# Altium PCB Mainboard_V1.0.PcbDoc (part 3 of 4) (continued)
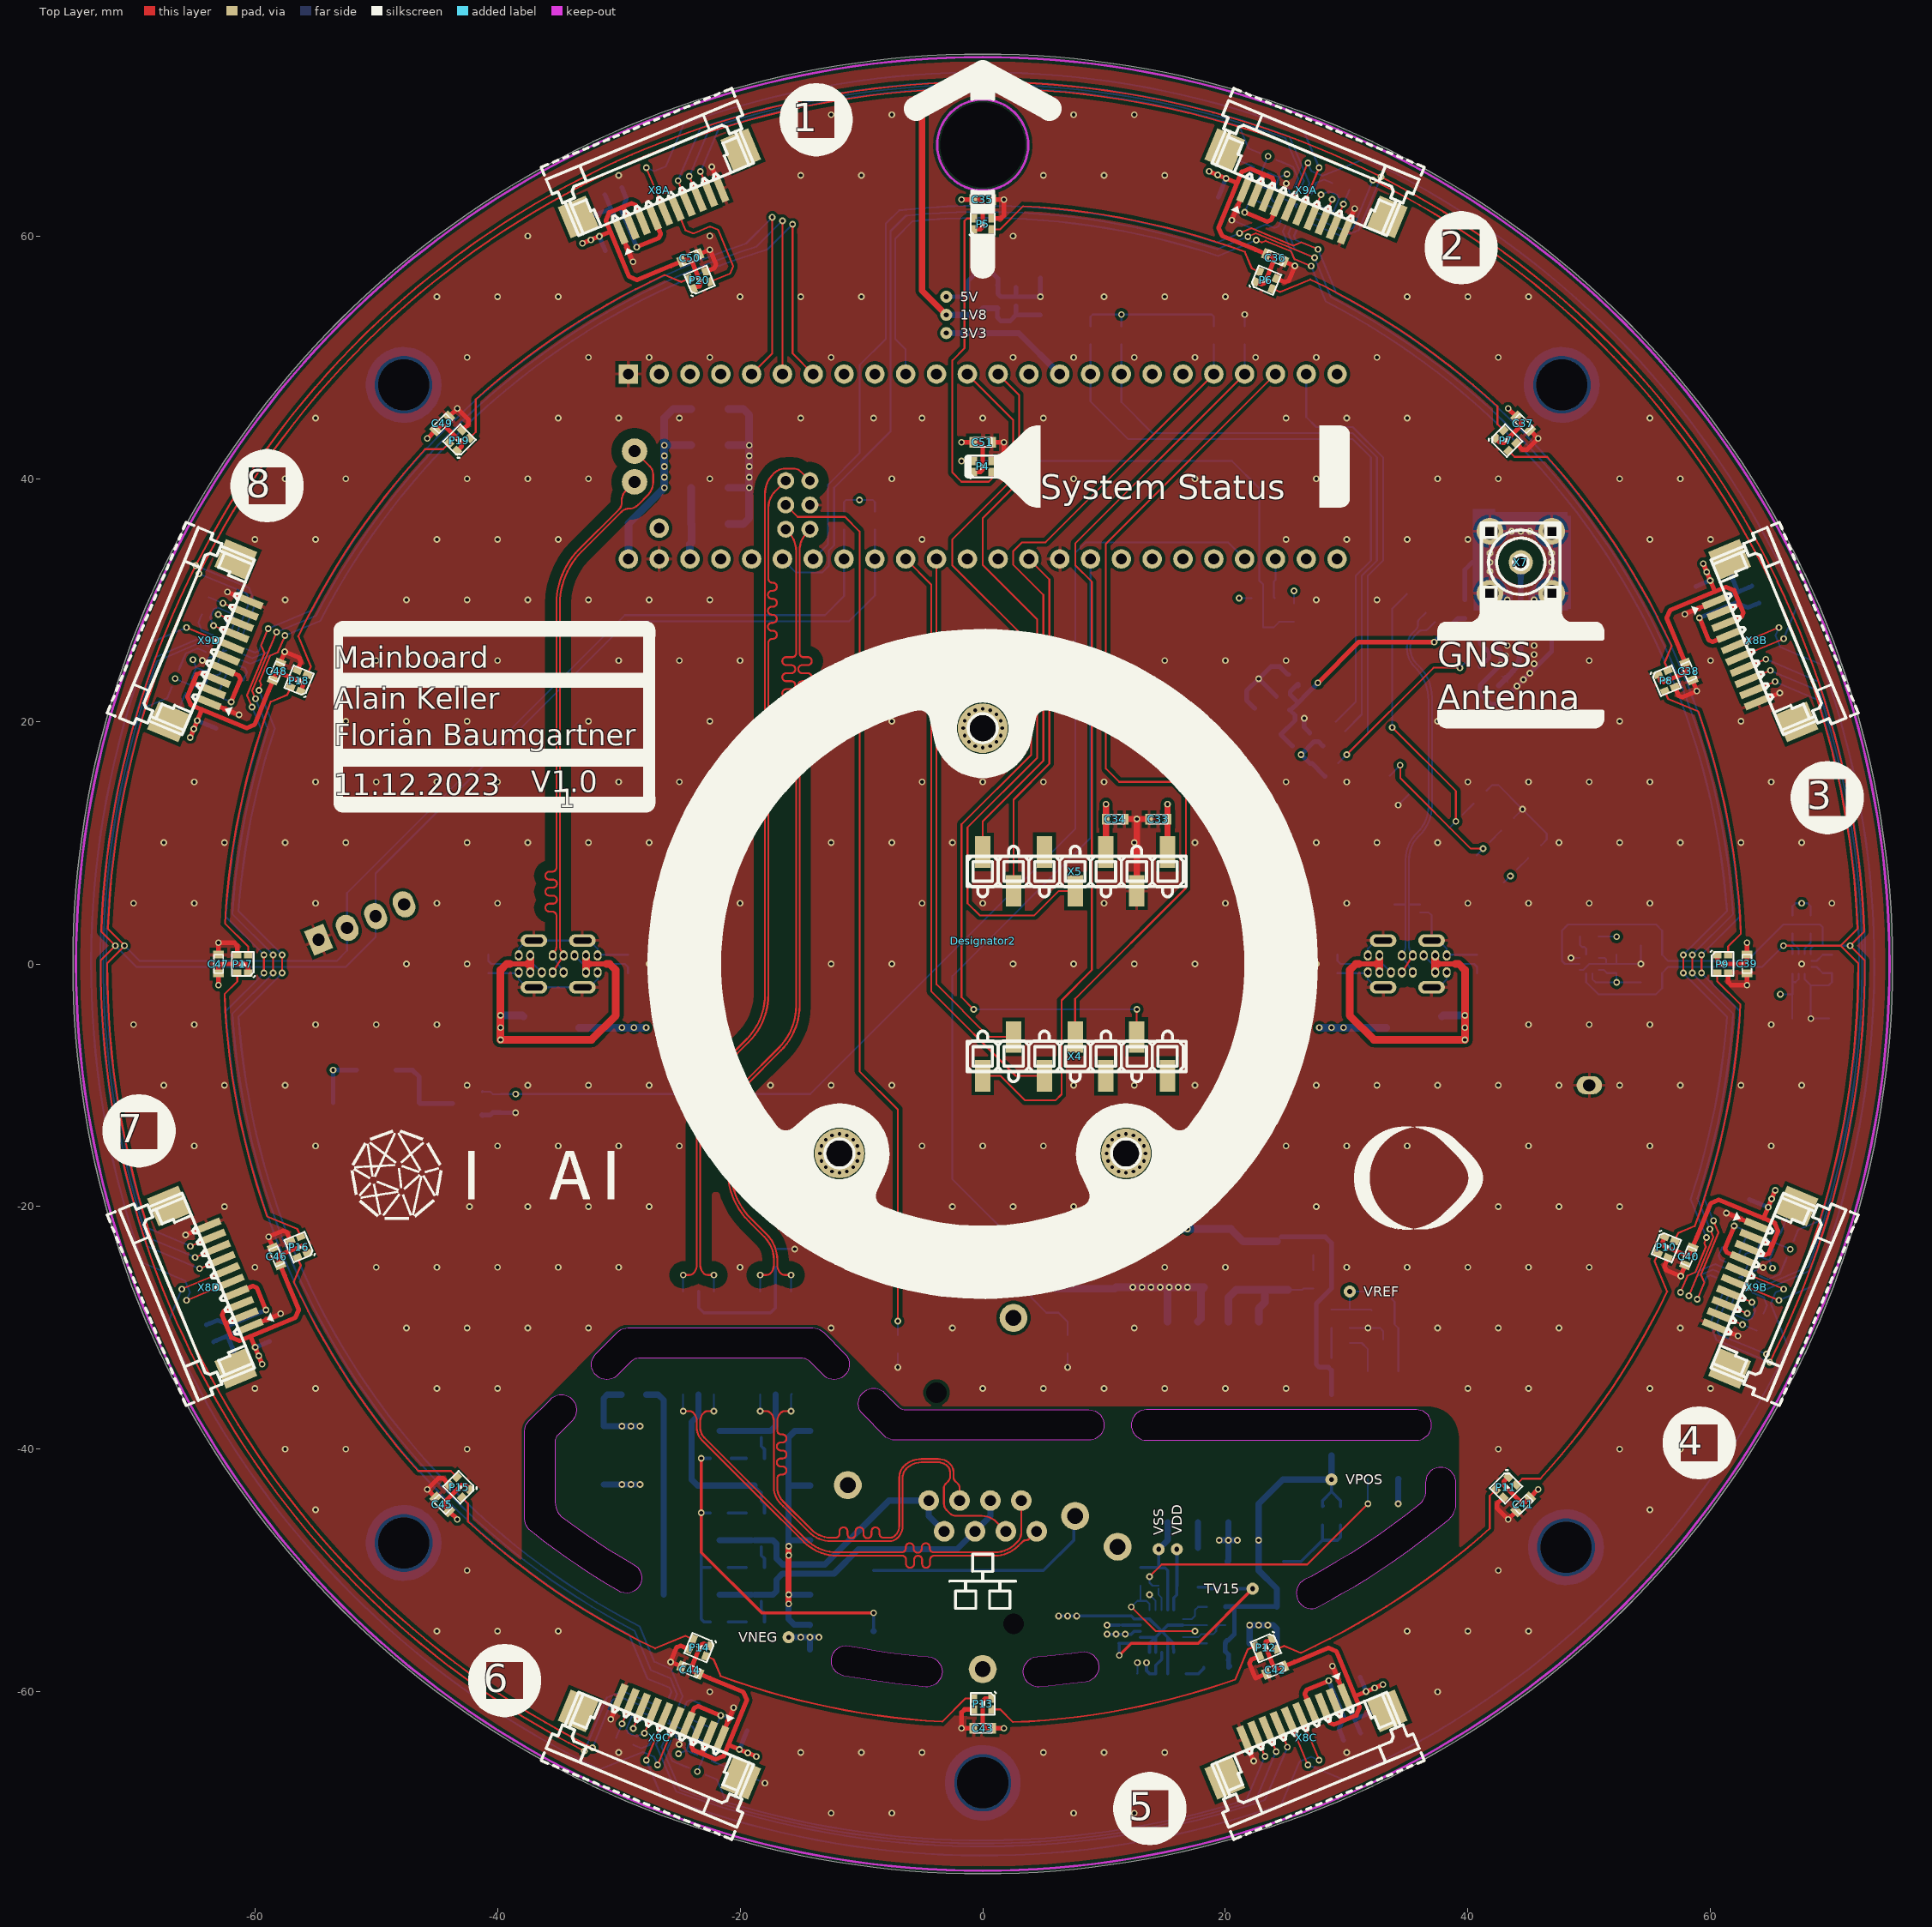
[diagram p0: Top Layer view]
## Nets (pads, with @x,y where several pads share a name; then routed paths per layer and width w, separated by ;. In a path a pad name is that pad's centre, name@x,y a point inside that pad or via, vN(x,y) a via of type N, cw(c..) or ccw(c..) an arc to the next point about the centre after c; other vN are vias at no path point) (continued)
  Bottom Layer w0.152: v1(-18.345,-36.86) T1.11@-18.345,-35.505
SCL_GPS: R39.2 U2.16 U6.19 | length 52.7
  Bottom Layer w0.152: R39.2@8.89,51.054 U2.16@8.89,48.62 8.89,46.36 12,43.25 30.5,43.25 32,41.75 32,33.25 30.75,32 30.75,21.621 U6.19@29.098,19.969
SCL_HMI: U2.38 X4.6 | length 43.2
  Top Layer w0.152: U2.38@-3.81,33.38 -3.81,-1.69 0.52,-6.02 X4.6@2.54,-6.02
SCL_SYS: R25.2 U2.41 U4.2 U5.1 U7A.7 U7B.7 U7C.7 U7D.7 X3.2 | length 488.7
  Top Layer w0.152: v1(-64.606,32.173) cw(c0,0) v1(32.173,64.606) ; v1(-64.606,32.173) ccw(c0,0) -72.115,2.896 -70.719,1.5 -72.173,0.045 ccw(c0,0) v1(-32.173,-64.606) ; v1(32.173,64.606) cw(c0,0) 72.115,2.896 70.719,1.5 ; v1(64.606,-32.173) ccw(c0,0) 72.173,0.045 70.719,1.5 ; v1@65.9,1.5 v1(66,1.5) 70.719,1.5
  Bottom Layer w0.152: v1(-70.75,1.5) -69.5,0.25 -53.25,0.25 -52.395,1.105 X3.2@-52.395,2.971 -52.395,5.855 -29.5,28.75 -13,28.75 -11.43,30.32 U2.41@-11.43,33.38 R25.2@-11.43,35.814 ; v1(-64.606,32.173) -60.737,30.57 cw(c-60.796,30.43) -60.655,30.488 -60.409,29.893 -60.6,29.431 -61.471,27.325 U7D.7@-61.557,27.121 ; v1(-32.173,-64.606) -30.57,-60.737 cw(c-30.43,-60.796) -30.488,-60.655 -29.893,-60.409 -29.431,-60.6 -27.325,-61.471 U7C.7@-27.121,-61.555 ; U7A.7@27.121,61.557 27.324,61.471 29.431,60.6 29.893,60.409 30.488,60.655 ccw(c30.43,60.796) 30.57,60.737 v1(32.173,64.606) ; U4.2@49.75,-0.8 49.75,-1.5 50.75,-2.5 55.5,-2.5 56,-2 56,-0.75 56.5,-0.25 64.25,-0.25 v1(66,1.5) 66.5,1.5 66.75,1.25 U5.1@66.75,0.81 ; U7B.7@61.555,-27.121 61.471,-27.324 60.6,-29.431 60.409,-29.893 60.655,-30.488 ccw(c60.796,-30.43) 60.737,-30.57 v1(64.606,-32.173) ; U7B.7@61.557,-27.121 61.473,-27.324 60.602,-29.431 60.411,-29.893 60.657,-30.488 ccw(c60.798,-30.429) 60.739,-30.57 v1(64.606,-32.173) v1(64.608,-32.172)
SDA_GPS: R40.2 U2.17 U6.18 | length 51.3
  Bottom Layer w0.152: R40.2@11.43,51.054 U2.17@11.43,48.62 11.43,46.32 14,43.75 30.5,43.75 32.5,41.75 32.5,33.25 31.25,32 31.25,20.566 U6.18@29.876,19.191
SDA_HMI: U2.39 X4.5 | length 48.7
  Top Layer w0.152: U2.39@-6.35,33.38 -4.25,31.28 -4.25,-2.25 2.72,-9.22 X4.5@5.08,-9.22
SDA_SYS: R24.2 U2.40 U4.4 U5.4 U7A.8 U7B.8 U7C.8 U7D.8 X3.3 | length 509.8
  Top Layer w0.152: v1(-32.826,-64.876) cw(c0,0) -72.708,0.292 v1(-71.5,1.5) -72.65,2.65 -72.65,2.918 cw(c0,0) v1(-64.876,32.826) cw(c0,0) v1(32.826,64.876) cw(c0,0) 72.65,2.918 72.65,2.65 v1(71.5,1.5) 72.708,0.292 cw(c0,0) v1(64.878,-32.826)
  Bottom Layer w0.152: v1(-71.5,1.5) -69.75,-0.25 -52.5,-0.25 -50.048,2.202 X3.3@-50.048,3.943 -50.048,7.452 -29.25,28.25 -11,28.25 -8.89,30.36 U2.40@-8.89,33.38 R24.2@-8.89,35.814 ; v1(-64.876,32.826) -60.488,31.008 -60.353,30.681 -59.947,29.702 -61.009,27.133 U7D.8@-61.095,26.93 ; v1(-32.826,-64.876) -31.008,-60.488 -30.681,-60.353 -29.702,-59.947 -27.133,-61.009 U7C.8@-26.93,-61.093 ; U7A.8@26.93,61.093 27.133,61.009 29.702,59.947 30.681,60.353 31.008,60.488 v1(32.826,64.876) ; U4.4@49.2,0 48,0 47.75,0.25 47.75,2.75 48.25,3.25 55.5,3.25 56,2.75 56,0.75 56.5,0.25 63,0.25 66,3.25 69,3.25 69.25,3 69.25,1.5 ; U7B.8@61.011,-27.133 59.949,-29.701 60.355,-30.681 60.49,-31.008 v1(64.878,-32.826) ; U7B.8@61.011,-27.133 U7B.8@61.095,-26.93 ; U7B.8@61.093,-26.93 61.009,-27.133 59.947,-29.702 60.353,-30.681 60.488,-31.008 v1(64.878,-32.826) ; v1(64.878,-32.826) v1(64.878,-32.826) ; U5.4@68.25,0.81 68.25,1.25 68.5,1.5 69.25,1.5 ; v1(71.5,1.5) 69.25,1.5
  other v1: 64.876,-32.826
TDM1_BCLK: U2.43 U7A.10 U7B.10 | length 180.2
  Top Layer w0.152: v1(21.855,59.95) 22.509,60.22 v1(27.359,58.211) ; v1(58.213,-27.359) 60.222,-22.508 v1(59.951,-21.855) ; v1(58.5,-0.75) v1(58.5,0.75)
  Bottom Layer w0.152: U2.43@-16.51,33.38 -15.39,32.26 -13.24,32.26 -12.7,32.8 -12.7,34.05 -12.25,34.5 -12.25,39.25 -7.6,43.9 -7.6,60.4 -6.323,61.677 cw(c0,0) -6.243,61.685 cw(c0,0) 19.338,58.907 v1(21.855,59.95) ; U7A.10@25.392,60.649 25.201,60.187 25.472,59.534 25.742,58.881 v1(27.359,58.211) 28.709,54.953 cw(c0,0) 61.863,4.113 v1(58.5,0.75) ; v1(58.213,-27.359) 58.883,-25.742 59.536,-25.471 60.189,-25.201 U7B.10@60.651,-25.392 ; v1(58.5,-0.75) 61.863,-4.113 cw(c0,0) 58.907,-19.338 v1@59.95,-21.855
TDM1_FSYNC: U2.42 U7A.9 U7B.9 | length 175.9
  Top Layer w0.152: v1(21.162,60.237) 22.142,60.643 25.607,59.208 26.26,59.478 v1(27.646,58.904) ; v1(58.906,-27.646) 59.48,-26.26 59.209,-25.607 60.644,-22.142 v1(60.238,-21.162) ; v1(59.25,-0.75) v1(59.25,0.75)
  Bottom Layer w0.152: U2.42@-13.97,33.38 -12.75,34.6 -12.75,39.5 -10.15,42.1 -10.15,49.35 -8,51.5 -8,61 -6.88,62.12 cw(c0,0) 19.273,59.454 v1(21.162,60.237) ; U7A.9@25.854,60.458 25.663,59.996 25.798,59.669 v1(27.646,58.904) 29.143,55.289 cw(c0,0) 62.379,3.88 v1(59.25,0.75) ; v1(58.906,-27.646) 59.671,-25.798 59.998,-25.663 U7B.9@60.46,-25.854 ; v1(59.25,-0.75) 62.379,-3.879 cw(c0,0) 59.454,-19.273 v1@60.237,-21.163
TDM1_RX: U2.10 U7A.11 U7B.11 | length 158.8
  Top Layer w0.152: v1(22.548,59.663) 23.011,59.471 23.336,59.607 25.415,58.747 25.687,58.092 v1(27.071,57.52) ; v1(57.521,-27.07) 58.094,-25.687 58.749,-25.415 59.608,-23.336 59.473,-23.01 v1(59.664,-22.548) ; v1(57.75,-0.75) v1(57.75,0.75)
  Bottom Layer w0.152: U2.10@-6.35,48.62 -6.35,50.65 -7.2,51.5 -7.2,59.8 -5.771,61.229 cw(c0,0) 19.402,58.359 v1(22.548,59.663) ; U7A.11@24.942,60.867 24.74,60.38 25.685,58.093 v1(27.071,57.52) 28.275,54.615 cw(c0,0) 61.346,4.346 v1(57.75,0.75) ; v1(57.521,-27.07) 58.095,-25.685 60.382,-24.74 U7B.11@60.869,-24.942 ; v1(57.75,-0.75) 61.346,-4.346 cw(c0,0) 58.359,-19.402 v1@59.663,-22.548 ; U7B.11@60.867,-24.942 U7B.11@61.07,-25.026
TDM2_BCLK: U2.6 U7C.10 U7D.10 | length 177.6
  Top Layer w0.152: v1(-59.95,21.855) -60.22,22.509 v1(-58.211,27.359) ; v1(-58.5,-0.75) v1(-58.5,0.75) ; U2.6@-16.51,48.62 v1@-16.51,61.261
  Bottom Layer w0.152: U7D.10@-60.88,25.488 -60.649,25.392 -60.187,25.201 -59.534,25.472 -58.881,25.742 v1(-58.211,27.359) -54.953,28.709 cw(c0,0) -18.643,59.131 v1(-16.513,61.261) ; v1(-59.95,21.855) -58.907,19.338 ccw(c0,0) -61.863,4.113 v1(-58.5,0.75) ; v1(-58.5,-0.75) -61.863,-4.113 ccw(c0,0) -28.709,-54.953 -27.359,-58.211 -25.742,-58.881 -25.472,-59.534 -25.201,-60.187 U7C.10@-25.392,-60.649
TDM2_FSYNC: U2.5 U7C.9 U7D.9 | length 177.6
  Top Layer w0.152: v1(-60.237,21.162) -60.643,22.142 -59.208,25.607 -59.478,26.26 v1(-58.904,27.646) ; v1(-59.25,-0.75) v1(-59.25,0.75) ; U2.5@-19.05,48.62 -17.345,50.325 v1@-17.345,61.545
  Bottom Layer w0.152: U7D.9@-60.689,25.95 -60.458,25.854 -59.996,25.663 -59.669,25.798 v1(-58.904,27.646) -55.289,29.143 cw(c0,0) -19.516,59.375 v1(-17.346,61.545) ; v1(-60.237,21.162) -59.454,19.273 ccw(c0,0) -62.379,3.879 v1(-59.25,0.75) ; v1(-59.25,-0.75) -62.379,-3.879 ccw(c0,0) -29.143,-55.289 -27.646,-58.904 -25.798,-59.669 -25.663,-59.996 U7C.9@-25.854,-60.458
TDM2_RX: U2.7 U7C.11 U7D.11 | length 179.6
  Top Layer w0.152: v1(-59.663,22.548) -59.471,23.011 -59.607,23.336 -58.747,25.415 -58.092,25.687 v1(-57.52,27.071) ; v1(-57.75,-0.75) v1(-57.75,0.75) ; v1(-15.675,60.969) -15.675,50.325 U2.7@-13.97,48.62
  Bottom Layer w0.152: U7D.11@-61.072,25.026 U7D.11@-60.867,24.942 ; U7D.11@-60.867,24.942 -60.38,24.74 -58.093,25.685 v1(-57.52,27.071) -54.615,28.275 cw(c0,0) -17.766,58.878 v1(-15.675,60.969) ; v1(-59.663,22.548) -58.359,19.402 ccw(c0,0) -61.346,4.346 v1(-57.75,0.75) ; v1(-57.75,-0.75) -61.346,-4.346 ccw(c0,0) -28.275,-54.615 -27.071,-57.52 -25.685,-58.093 -24.74,-60.38 -24.942,-60.867 U7C.11@-25.026,-61.07
TX_N: T1.14 X2.2 | length 39.7
  Top Layer w0.152: v1(-22.155,-36.86) -22.662,-36.86 ccw(c-22.662,-37.338) -23,-37 ccw(c-22.311,-37.689) -23.285,-37.689 -23.285,-38.25 ccw(c-22.163,-38.25) -22.957,-39.043 -18.125,-43.875 -14.561,-47.439 ccw(c-12,-44.879) -12,-48.5 -7.7,-48.5 -6.678,-48.5 ccw(c-6.678,-48.17) -6.348,-48.17 -6.348,-48.082 cw(c-6.018,-48.082) -5.688,-48.082 -5.688,-48.208 ccw(c-5.357,-48.208) -5.027,-48.208 -5.027,-48.082 cw(c-4.697,-48.082) -4.367,-48.082 -4.367,-48.17 ccw(c-4.037,-48.17) -4.037,-48.5 -3.3,-48.5 1,-48.5 ccw(c1,-46.08) 2.711,-47.791 2.797,-47.706 2.797,-47.703 2.862,-47.638 ccw(c2.106,-46.882) 3.175,-46.882 X2.2@3.175,-44.23
  Bottom Layer w0.152: v1(-22.155,-36.86) T1.14@-22.155,-35.505
TX_P: T1.16 X2.1 | length 40.5
  Top Layer w0.152: v1(-24.695,-36.86) -24.188,-36.86 cw(c-24.188,-37.338) -23.85,-37 cw(c-24.539,-37.689) -23.565,-37.689 -23.565,-38.25 ccw(c-22.163,-38.25) -23.154,-39.241 -22.948,-39.448 -18.323,-44.073 -14.758,-47.637 ccw(c-12,-44.879) -12,-48.779 -7.388,-48.779 -6.651,-48.779 cw(c-6.651,-49.11) -6.321,-49.11 -6.321,-49.442 ccw(c-5.991,-49.442) -5.66,-49.442 -5.66,-49.11 cw(c-5.33,-49.11) -5,-49.11 -5,-49.442 ccw(c-4.67,-49.442) -4.34,-49.442 -4.34,-49.11 cw(c-4.009,-49.11) -4.009,-48.779 -3.067,-48.779 1,-48.779 ccw(c1,-46.08) 2.909,-47.989 2.994,-47.903 2.997,-47.903 ; 2.9,-48 2.997,-47.903 ; X2.1@4.81,-47.135 cw(c4.546,-47.4) X2.1@4.92,-47.4 ; X2.1@4.81,-47.135 X2.1@4.445,-46.77 3.796,-47.419 cw(c3.6,-47.222) 3.6,-47.5 ccw(c3.6,-47.983) 3.259,-47.641 2.997,-47.903
  Bottom Layer w0.152: v1(-24.695,-36.86) T1.16@-24.695,-35.505
USB_D_N: U2.57 X1.A7 X1.B7 | length 46.9
  Top Layer w0.152: X1.A7@-35.45,0.7 cw(c-35.142,0.7) -35.36,0.918 ccw(c-35.891,1.449) -35.14,1.449 -35.14,3.9 -35.14,3.976 ccw(c-35.47,3.976) -35.47,4.306 -35.72,4.306 cw(c-35.72,4.637) -35.72,4.967 -35.432,4.967 ccw(c-35.432,5.297) -35.432,5.627 -35.72,5.627 cw(c-35.72,5.957) -35.72,6.288 -35.432,6.288 ccw(c-35.432,6.618) -35.432,6.948 -35.72,6.948 cw(c-35.72,7.278) -35.72,7.608 -35.47,7.608 ccw(c-35.47,7.939) -35.14,7.939 -35.14,8.6 -35.14,29.663 cw(c-28.754,29.663) -33.269,34.178 -30,37.448 ccw(c-30.604,38.051) -29.75,38.051 -29.75,38.25 cw(c-28.712,38.25) -29.446,38.984 U2.57@-28.7,39.73
  Bottom Layer w0.152: X1.A7@-35.412,0.64 X1.B7@-34.589,-0.64
USB_D_P: U2.56 X1.A6 X1.B6 | length 47.2
  Top Layer w0.152: X1.B6@-35.45,-0.7 -35.45,-0.64 -35.412,-0.64 -34.589,0.64 -34.55,0.64 X1.A6@-34.55,0.7 ccw(c-34.858,0.7) -34.64,0.918 cw(c-34.109,1.449) -34.86,1.449 -34.86,29.663 cw(c-28.754,29.663) -33.072,33.981 -29.776,37.276 ; -29.776,37.276 cw(c-29.173,36.673) -29.173,37.526 ccw(c-29.173,38.61) -28.406,37.844 -27.587,38.663 ccw(c-28.7,39.73) -27.158,39.73 -27.158,40.32 ccw(c-28.144,40.32) -27.447,41.017 U2.56@-28.7,42.27
pads on no net: D16.3 D16.4 D16.5 Designator2.NC M1.1 M2.1 M3.1 M4.1 M5.1 Q1.NC T1.4 T1.5 T1.12 T1.13 T2.5 T2.6 U2.2 U2.3 U2.4 U2.8 U2.9 U2.11 U2.14 U2.18 U2.19 U2.24 U2.25 U2.26 U2.29 U2.30 U2.31 U2.32 U2.36 U2.37 U2.44 U2.45 U2.49 U4.7 U5.7 U5.11 U5.12 U6.1 U6.2 U6.4 U6.14 U6.16 U6.17 U6.20 U6.21 X2.NC X4.1 X4.3 X5.3 X8A.NC X8B.NC X8C.NC X8D.NC X9A.NC X9B.NC X9C.NC X9D.NC
copper on no net:
  other v2: -11.811,-17.221 11.811,-17.221 -12.423,-17.099 -11.199,-17.099 11.199,-17.099 12.423,-17.099 -12.942,-16.752 -10.68,-16.752 10.68,-16.752 12.942,-16.752 -13.289,-16.233 -10.333,-16.233 10.333,-16.233 13.289,-16.233 -13.411,-15.621 -10.211,-15.621 10.211,-15.621 13.411,-15.621 -13.289,-15.009 -10.333,-15.009 10.333,-15.009 13.289,-15.009 -12.942,-14.49 -10.68,-14.49 10.68,-14.49 12.942,-14.49 -12.423,-14.143 -11.199,-14.143 11.199,-14.143 12.423,-14.143 -11.811,-14.021 11.811,-14.021 0,17.831 -0.612,17.953 0.612,17.953 -1.131,18.3 1.131,18.3 -1.478,18.819 1.478,18.819 -1.6,19.431 1.6,19.431 -1.478,20.043 1.478,20.043 -1.131,20.562 1.131,20.562 -0.612,20.909 0.612,20.909 0,21.031

## Polygon pours and split planes (outlines as drawn)
3V3 on Mid-Layer 1 "NONET_L-01_P-001" (solid, remove dead copper, pour order 29): -38,-47.25 -38,-38.473 cw(c-36.577,-38.473) -37.583,-37.467 -30.471,-30.26 cw(c-29.219,-31.512) -29.219,-29.741 -13.881,-29.741 cw(c-13.881,-31.053) -12.953,-30.125 -6.684,-36.394 ccw(c-6.491,-36.202) -6.491,-36.474 36.754,-36.474 cw(c36.754,-38.989) 39.268,-38.989 39.268,-47.232 cw(c39.25,-47.232) 39.25,-47.25 46.75,-40.5 52.817,-31.89 59.266,-16.972 61.5,-5 61.5,0 ccw(c0,0) 0,61.5 ccw(c0,0) -61.5,0 -60,-13.25 -56.5,-24.5 -48,-38.75 -38.5,-48.25
3V3 on Mid-Layer 1 "NONET_L-01_P-001" (solid, remove dead copper, pour order 30): 0,-62.5 cw(c0,0) -62.5,0 cw(c0,0) 0,62.5 cw(c0,0) 62.5,0 cw(c0,0) 0,-62.5 0,-60.5 ccw(c0,0) 60.5,0 ccw(c0,0) 0,60.5 ccw(c0,0) -60.5,0 ccw(c0,0) 0,-60.5
5V on Mid-Layer 1 "NONET_L-01_P-001" (solid, remove dead copper, pour order 28): -2,50.75 -2,50.5 -2.75,49.75 -24.25,49.75 -45,29 -45,13 -13,13 -25,25 -25,34 -19,40 3.75,40 5.5,41.75 5.5,50.75
5V on Mid-Layer 1 "NONET_L-01_P-001" (solid, remove dead copper, pour order 27): 26,-24 45,-5 45,14 27,32 24,32 23,31 23,28 29,22 29,16 28,15 15,15 11,11 -11,11 -15,15 -44,15 -45,14 -45,-5 -26,-24
5V on Mid-Layer 1 "NONET_L-01_P-001" (solid, remove dead copper, pour order 26): -8.25,62.041 -7.041,62.041 -5.5,60.5 -5.5,54 -4.25,52.75 -2.5,52.75 -2,52.25 -2,50.5 5.5,50.5 5.5,61.75 6.25,62.5 6.25,62.75 -8.25,62.75
5V on Mid-Layer 1 "NONET_L-01_P-001" (solid, remove dead copper, pour order 25): 0,72.75 cw(c0,0) 72.75,0 cw(c0,0) 0,-72.75 cw(c0,0) -72.75,0 cw(c0,0) 0,72.75 0,62.5 ccw(c0,0) -62.5,0 ccw(c0,0) 0,-62.5 ccw(c0,0) 62.5,0 ccw(c0,0) 0,62.5
NetC9_2 on Mid-Layer 1 "NONET_L-01_P-001" (solid, remove dead copper, pour order 6): -30.75,-36 -31.25,-36.5 -31.25,-38 -17,-52.25 -16.25,-52.25 8,-52.25 8.5,-52.75 8.5,-56.25 10.163,-57.913 13.532,-57.913 16.325,-57.175 23.5,-50 23.5,-46.5 22,-45 14.165,-45 10.915,-48.25 -11.75,-48.25 -24,-36
NetD3_A on Mid-Layer 1 "NONET_L-01_P-001" (solid, remove dead copper, pour order 5): 9.5,-53 9.975,-52.525 13.875,-52.525 19.4,-47 21.1,-47 21.5,-47.4 21.5,-49.5 15.3,-55.7 10.2,-55.7 9.5,-55
NetL2_2 on Mid-Layer 1 "NONET_L-01_P-001" (solid, remove dead copper, pour order 4): 8.025,-52.525 8.463,-52.963 8.463,-56.688 7.725,-56.75 6.812,-56.862 5.813,-56.975 4.913,-57.062 3.4,-57.3 1.2,-57.4 -1.1,-57.4 -3.1,-57.3 -4.938,-57.062 -5.875,-56.975 -6.987,-56.85 -8.8,-56.6 -9.9,-56.4 -11,-56.225 -11.3,-56.175 ccw(c-11.3,-57.26) -12.068,-56.493 -17.007,-56.493 -17.5,-56 -17.5,-53 -17.025,-52.525
1V8 on Mid-Layer 1 "NONET_L-01_P-001" (solid, remove dead copper, pour order 2): -8.36,73.215 -5,70.25 -2.035,73.61
1V8 on Mid-Layer 1 "NONET_L-01_P-001" (solid, remove dead copper, pour order 0): 0,75 cw(c0,0) 75,0 cw(c0,0) 0,-75 cw(c0,0) -75,0 cw(c0,0) 0,75 0,73 ccw(c0,0) -73,0 ccw(c0,0) 0,-73 ccw(c0,0) 73,0 ccw(c0,0) 0,73
GND on Mid-Layer 2 "NONET_L-01_P-001" (solid, remove dead copper, pour order 19): -37.998,-49.555 -37.998,-46.126 -37.998,-38.481 -37.325,-37.224 -30.471,-30.26 -30.147,-30.046 -14.25,-30 -13.208,-29.972 -12.649,-30.429 -6.604,-36.474 31.666,-36.474 35.941,-36.474 36.754,-36.474 cw(c36.754,-38.989) 39.268,-38.989 39.268,-44.755 39.268,-45.517 39.268,-48.75 44.5,-47 68,-23.5 68,0 ccw(c0,0) 0,68 ccw(c0,0) -68,0 -68,-4.787 ccw(c-16.787,-4.787) -53,-41 -41,-49
GND on Mid-Layer 2 "NONET_L-01_P-001" (solid, remove dead copper, pour order 18): 0,-75 ccw(c0,0) 75,0 ccw(c0,0) 0,75 ccw(c0,0) -75,0 ccw(c0,0) 0,-75 0,-62 ccw(c0,0) 62,0 ccw(c0,0) 0,62 ccw(c0,0) -62,0 ccw(c0,0) 0,-62
NetC10_M on Mid-Layer 2 "NONET_L-01_P-001" (solid, remove dead copper, pour order 8): 8.963,-56.567 9.525,-57.675 9.412,-58.5 9.475,-59.25 11.325,-58.925 13.4,-58.5 15.325,-58 17.375,-57.45 19.2,-56.85 20.875,-56.25 24.347,-54.859 26.325,-53.925 26.85,-53.65 26.025,-52.55 25.875,-52.15 25.862,-51.663 25.732,-50.769 8.411,-56.311
NetC10_M on Mid-Layer 2 "NONET_L-01_P-001" (solid, remove dead copper, pour order 7): -28.37,-32.51 -35.25,-39.406 -35.242,-44.537 -35.18,-44.849 -34.97,-45.275 -34.775,-45.525 -32.625,-47.075 -30.975,-48.175 -28.275,-49.55 -24.24,-51.605 -20.525,-53.275 -17.1,-54.65 -14,-55.45 -11.225,-55.925 -9.35,-56.5 -7.6,-56.775 -6.375,-56.925 -5.375,-57.025 -4.3,-56.875 -0.775,-57.075 0.825,-57.075 4.25,-56.875 4.35,-57.125 5.813,-56.975 7.725,-56.75 8.35,-56.675 12.175,-56 16.725,-54.85 20.4,-53.525 23.825,-52.025 26.4,-50.838 28.2,-49.85 30,-48.8 32.137,-47.4 34.2,-45.925 35.775,-44.725 36.132,-44.407 36.225,-44.246 36.225,-39.525 -5.168,-39.525 -7.604,-39.204 -8.734,-38.647 -14.876,-32.51
GND on Bottom Layer "NONET_L-01_P-001" (solid, remove dead copper, pour order 16): -37.998,-49.555 -37.998,-46.126 -37.998,-38.481 -37.325,-37.224 -30.471,-30.26 -30.147,-30.046 -14.25,-30 -13.208,-29.972 -12.649,-30.429 -6.604,-36.474 31.666,-36.474 35.941,-36.474 36.754,-36.474 cw(c36.754,-38.989) 39.268,-38.989 39.268,-44.755 39.268,-45.517 39.268,-48.75 44.5,-47 68,-23.5 68,0 ccw(c0,0) 0,68 ccw(c0,0) -68,0 -68,-4.787 ccw(c-16.787,-4.787) -53,-41 -41,-49
GND on Bottom Layer "NONET_L-01_P-001" (solid, remove dead copper, pour order 15): 0,-75 ccw(c0,0) 75,0 ccw(c0,0) 0,75 ccw(c0,0) -75,0 ccw(c0,0) 0,-75 0,-62 ccw(c0,0) 62,0 ccw(c0,0) 0,62 ccw(c0,0) -62,0 ccw(c0,0) 0,-62
GND on Bottom Layer "NONET_L-01_P-001" (solid, remove dead copper, pour order 17): 40.5,37 40.5,23.5 40.5,22 41.5,21 43,21 48.21,26.21 48.21,37
GND on Top Layer "NONET_L-01_P-001" (solid, remove dead copper, pour order 21): -37.998,-49.555 -37.998,-46.126 -37.998,-38.481 -37.325,-37.224 -30.471,-30.26 -30.147,-30.046 -14.25,-30 -13.208,-29.972 -12.649,-30.429 -6.604,-36.474 31.666,-36.474 35.941,-36.474 36.754,-36.474 cw(c36.754,-38.989) 39.268,-38.989 39.268,-44.755 39.268,-45.517 39.268,-48.75 44.5,-47 68,-23.5 68,0 ccw(c0,0) 0,68 ccw(c0,0) -68,0 -68,-4.787 ccw(c-16.787,-4.787) -53,-41 -41,-49
GND on Top Layer "NONET_L-01_P-001" (solid, remove dead copper, pour order 20): 0,-75 ccw(c0,0) 75,0 ccw(c0,0) 0,75 ccw(c0,0) -75,0 ccw(c0,0) 0,-75 0,-62 ccw(c0,0) 62,0 ccw(c0,0) 0,62 ccw(c0,0) -62,0 ccw(c0,0) 0,-62
no net on Top Overlay "NONET_L-01_P-001" (solid): 44.35,29.855 47.725,29.855 47.725,29.025 ccw(c48.55,29.025) 48.55,28.2 44.35,28.2
no net on Top Overlay "NONET_L-01_P-001" (solid): 44.35,29.855 40.975,29.855 40.975,29.025 cw(c40.15,29.025) 40.15,28.2 44.35,28.2
no net on Top Overlay (solid): 51.225,27.45 ccw(c50.475,27.45) 50.475,28.2 38.225,28.2 ccw(c38.225,27.45) 37.475,27.45 37.475,26.675 51.225,26.675
no net on Top Overlay (solid): 51.225,20.175 cw(c50.475,20.175) 50.475,19.425 38.225,19.425 cw(c38.225,20.175) 37.475,20.175 37.475,20.95 51.225,20.95
no net on Top Overlay "NONET_L-01_P-001" (solid): -1,57.5 ccw(c0,57.5) 0,56.5 ccw(c0,57.5) 1,57.5 1,72.5 -1,72.5
no net on Top Overlay "NONET_L-01_P-001" (solid): 59.072,-36.477 cw(c59.072,-39.477) 62.072,-39.477 cw(c59.072,-39.477) 59.072,-42.477 cw(c59.072,-39.477) 56.072,-39.477 cw(c59.072,-39.477) 59.072,-36.477 59.072,-37.977 60.572,-37.977 60.572,-40.977 57.572,-40.977 57.572,-37.977 59.072,-37.977
no net on Top Overlay "NONET_L-01_P-001" (solid): 69.622,16.7 cw(c69.622,13.7) 72.622,13.7 cw(c69.622,13.7) 69.622,10.7 cw(c69.622,13.7) 66.622,13.7 cw(c69.622,13.7) 69.622,16.7 69.622,15.2 71.122,15.2 71.122,12.2 68.122,12.2 68.122,15.2 69.622,15.2
no net on Top Overlay "NONET_L-01_P-001" (solid): -36.408,-59.066 cw(c-39.408,-59.066) -39.408,-62.066 cw(c-39.408,-59.066) -42.408,-59.066 cw(c-39.408,-59.066) -39.408,-56.066 cw(c-39.408,-59.066) -36.408,-59.066 -37.908,-59.066 -37.908,-60.566 -40.908,-60.566 -40.908,-57.566 -37.908,-57.566 -37.908,-59.066
no net on Top Overlay "NONET_L-01_P-001" (solid): 16.769,-69.616 cw(c13.769,-69.616) 13.769,-72.616 cw(c13.769,-69.616) 10.769,-69.616 cw(c13.769,-69.616) 13.769,-66.616 cw(c13.769,-69.616) 16.769,-69.616 15.269,-69.616 15.269,-71.116 12.269,-71.116 12.269,-68.116 15.269,-68.116 15.269,-69.616
no net on Top Overlay "NONET_L-01_P-001" (solid): -58.997,36.414 cw(c-58.997,39.414) -61.997,39.414 cw(c-58.997,39.414) -58.997,42.414 cw(c-58.997,39.414) -55.997,39.414 cw(c-58.997,39.414) -58.997,36.414 -58.997,37.914 -60.497,37.914 -60.497,40.914 -57.497,40.914 -57.497,37.914 -58.997,37.914
no net on Top Overlay "NONET_L-01_P-001" (solid): -69.547,-16.763 cw(c-69.547,-13.763) -72.547,-13.763 cw(c-69.547,-13.763) -69.547,-10.763 cw(c-69.547,-13.763) -66.547,-13.763 cw(c-69.547,-13.763) -69.547,-16.763 -69.547,-15.263 -71.047,-15.263 -71.047,-12.263 -68.047,-12.263 -68.047,-15.263 -69.547,-15.263
no net on Top Overlay "NONET_L-01_P-001" (solid): -16.732,69.585 cw(c-13.732,69.585) -13.732,72.585 cw(c-13.732,69.585) -10.732,69.585 cw(c-13.732,69.585) -13.732,66.585 cw(c-13.732,69.585) -16.732,69.585 -15.232,69.585 -15.232,71.085 -12.232,71.085 -12.232,68.085 -15.232,68.085 -15.232,69.585
no net on Top Overlay "NONET_L-01_P-001" (solid): 36.445,59.034 cw(c39.445,59.034) 39.445,62.034 cw(c39.445,59.034) 42.445,59.034 cw(c39.445,59.034) 39.445,56.034 cw(c39.445,59.034) 36.445,59.034 37.945,59.034 37.945,60.534 40.945,60.534 40.945,57.534 37.945,57.534 37.945,59.034
no net on Top Overlay (solid): 29.5,37.625 ccw(c29.5,38.375) 30.25,38.375 30.25,43.625 ccw(c29.5,43.625) 29.5,44.375 27.75,44.375 27.75,37.625
no net on Top Overlay (solid): 1,40.025 cw(c0.92,38.685) 1.924,39.576 3.433,38.067 ccw(c4.5,39.134) 4.5,37.625 4.75,37.625 4.75,44.375 4.5,44.375 ccw(c4.5,42.866) 3.433,43.933 1.924,42.424 cw(c0.92,43.315) 1,41.975
no net on Top Overlay (solid): -0.925,40.025 -1.2,40.025 cw(c-1.2,40.325) -1.5,40.325 -1.5,41.675 cw(c-1.2,41.675) -1.2,41.975 -0.925,41.975

## Keep-outs
Keep-Out Layer:
  circle w0.203: c0,0 r74.75
  circle w0.203: c0,67.5 r3.75

## Other copper
Top Layer:
  pour cut-out: -22.375,-19.1 cw(c-22.05,-19.1) -22.05,-18.775 -21.971,-18.775 cw(c-21.971,-19.127) -21.722,-18.878 -21.575,-19.025 -21.575,-18.5 -22.375,-18.5
  pour cut-out: 42.5,33.105 ccw(c44.355,33.105) 44.355,31.25 ccw(c44.355,33.105) 46.21,33.105 ccw(c44.355,33.105) 44.355,34.96 ccw(c44.355,33.105)
Mid-Layer 1:
  rectangle net 1V8: -0.25,72.999 0.25,74.392
  pour cut-out: 42.5,33.105 ccw(c44.355,33.105) 44.355,31.25 ccw(c44.355,33.105) 46.21,33.105 ccw(c44.355,33.105) 44.355,34.96 ccw(c44.355,33.105)
Mid-Layer 2:
  pour cut-out: 42.5,33.105 ccw(c44.355,33.105) 44.355,31.25 ccw(c44.355,33.105) 46.21,33.105 ccw(c44.355,33.105) 44.355,34.96 ccw(c44.355,33.105)
Bottom Layer:
  rectangle net GND: 40.386,30.583 42.25,37.5
  region net GND: 48.25,30.575 45.01,30.575 45.01,29.125 48.25,29.125
  rectangle net GND: 40.46,29.125 43.7,30.575
  region net GND: 46.838,32.488 45.069,30.719 46.341,29.446 48.11,31.215
  region net GND: 40.599,31.215 42.368,29.446 43.641,30.719 41.872,32.487
  region net GND: 48.11,34.995 46.245,36.86 44.972,35.588 46.838,33.722
  region net GND: 41.872,33.722 43.738,35.588 42.465,36.86 40.599,34.995
  region net GND: 48.5,29.25 48.5,36.95 46.55,36.95 46.55,29.25
  region net GND: 42.16,29.25 42.16,36.95 40.46,36.95 40.46,29.25
  rectangle net GND: 40.5,35.3 48.2,37.25
  pour cut-out: 27.25,-56.795 cw(c24.541,-56.668) 26.366,-58.675 22.156,-60.302 19.346,-61.352 16.347,-62.218 cw(c16.171,-59.902) 14.658,-61.664 14.508,-61.262 cw(c14.505,-61.265) 14.509,-61.265 14.658,-61.664 12.381,-60.059 27.36,-55.164
  pour cut-out: 11.807,-60.607 12.204,-60.778 12.231,-60.778 cw(c12.558,-63.316) 14.122,-61.29 14.682,-61.23 14.009,-60.244 11.76,-60.394
  pour cut-out: 28.821,-54.903 ccw(c30.113,-57.537) 27.216,-57.076 26.915,-56.514 cw(c27.801,-55.629) 26.549,-55.629 26.924,-54.879 28.975,-54.5

## Silkscreen, mask and mechanical layers (free items; w line width, h text height)
Top Overlay:
  drawing of 37 lines, arcs and shapes, not listed
  text "1" at -15.682,67.835 h4
  text "2" at 37.695,57.284 h4
  text "5V" at -1.848,54.594 h0.81
  text "1V8" at -1.848,53.094 h0.81
  text "3V3" at -1.848,51.594 h0.81
  text "8" at -60.747,37.664 h4
  text "System Status" at 4.75,37.625 h3.5
  text "Mainboard" at -53.5,23.808 h3
  text "GNSS / Antenna" at 37.48,20.312 h3.5
  text "Alain Keller / Florian Baumgartner" at -53.5,17.406 h3
  text "V1.0" at -37.25,13.558 h3
  text "11.12.2023" at -53.5,13.308 h3
  text "1" at -34.934,12.434 h2.6
  text "3" at 67.95,11.95 h4
  text "7" at -71.297,-15.513 h4
  text "VREF" at 31.402,-27.406 h0.81
  text "4" at 57.322,-41.227 h4
  text "VPOS" at 29.902,-42.906 h0.81
  text "VSS" at 14.906,-47.098 h0.81 r90
  text "VDD" at 16.406,-47.098 h0.81 r90
  text "TV15" at 18.254,-51.906 h0.81
  text "VNEG" at -20.132,-55.906 h0.81
  text "6" at -41.158,-60.816 h4
  text "5" at 12.019,-71.366 h4
Bottom Overlay:
  drawing of 35 lines, arcs and shapes, not listed
  text "RTK-STAT" at 52.041,19.393 h1.27 r45
  text "PULSE" at 47.098,18.95 h1.27 r45
  text "POWER" at 51.598,14.45 h1.27 r45
  text "MCU / USB" at -32.469,3.406 h1.27
  text "3V3" at -46.048,-0.759 h1.27 r292.5
  text "SDA" at -48.395,-1.731 h1.27 r292.5
  text "GNSS / USB" at 47.031,-1.844 h1.27
  text "SCL" at -50.742,-2.703 h1.27 r292.5
  text "GND" at -53.088,-3.675 h1.27 r292.5
  text "GND" at 51.693,-13.385 h1.27
  text "PoE (12.95W)" at 2.297,-24.885 h1.27
  text "IEEE 802.3at" at 2.297,-26.885 h1.27
Top Solder:
  drawing of 18 lines, arcs and shapes, not listed
Mechanical 1:
  circle w0.254: c0,0 r75
  lines w0.254: -28.374,-32.51 ccw(c-28.374,-33.355) -28.972,-32.757 -30.107,-33.893 cw(c-30.991,-33.009) -31.875,-33.893 cw(c-30.991,-33.009) -31.875,-32.125 -30.104,-30.354 cw(c-29.25,-31.207) -29.25,-30 -14,-30 cw(c-14,-31.207) -13.146,-30.354 -11.375,-32.125 cw(c-12.259,-33.009) -11.375,-33.893 cw(c-12.259,-33.009) -13.143,-33.893 -14.278,-32.757 ccw(c-14.876,-33.355) -14.876,-32.51 -28.374,-32.501 ; -37.75,-38.5 cw(c-36.543,-38.5) -37.396,-37.646 -35.625,-35.875 cw(c-34.741,-36.759) -33.857,-35.875 cw(c-34.741,-36.759) -33.857,-37.643 -34.993,-38.778 ccw(c-34.395,-39.376) -35.24,-39.376 -35.24,-44.529 ccw(c-33.975,-44.529) -34.754,-45.526 -34.549,-45.682 ccw(c0,0) -29.159,-49.298 -28.804,-49.511 cw(c-29.379,-50.62) -29.981,-51.716 cw(c-0.001,-0.001) -37.257,-46.747 cw(c-36.478,-45.75) -37.744,-45.75 -37.75,-38.5 ; -11.472,-58.665 cw(c-11.232,-57.438) -10.992,-56.211 ccw(c0,0) -4.508,-57.098 cw(c-4.606,-58.344) -4.705,-59.591 cw(c0,0) -11.472,-58.665 ; -9.875,-37.125 cw(c-8.991,-36.241) -9.875,-35.357 cw(c-8.991,-36.241) -8.107,-35.357 -6.972,-36.493 ccw(c-6.374,-35.895) -6.374,-36.74 8.75,-36.75 cw(c8.75,-38) 10,-38 cw(c8.75,-38) 8.75,-39.25 -7.25,-39.25 cw(c-7.25,-38.043) -8.104,-38.896 -9.875,-37.125 ; 4.508,-57.098 ccw(c0,0) 8.134,-56.696 cw(c8.311,-57.933) 8.489,-59.17 cw(c0,0) 4.705,-59.591 cw(c4.606,-58.344) 4.508,-57.098 ; 12.25,-38 cw(c13.5,-38) 13.5,-36.75 35.75,-36.75 cw(c35.75,-38) 37,-38 cw(c35.75,-38) 35.75,-39.25 13.5,-39.25 cw(c13.5,-38) 12.25,-38 ; 26.511,-50.771 ccw(c27.09,-51.879) 27.668,-52.987 ccw(c0,0) 38.465,-45.756 ccw(c37.174,-44.465) 39,-44.465 39,-42.75 ccw(c37.75,-42.75) 37.75,-41.5 ccw(c37.75,-42.75) 36.5,-42.75 36.5,-43.379 cw(c34.873,-43.379) 36.024,-44.529 cw(c0,0) 26.511,-50.771
Mechanical 4:
  lines w0.254: -55.37,-23.111 cw(c0,0) -55.37,23.111 cw(c-50.756,21.185) -47.221,24.721 -27.803,5.303 cw(c-33.107,0) -27.803,-5.303 -47.221,-24.721 cw(c-50.756,-21.185) -55.37,-23.111 ; -38.73,-38.73 ccw(c-35.194,-42.265) -38.394,-46.108 ccw(c0,0) 38.394,-46.108 ccw(c35.194,-42.265) 38.73,-38.73 20.54,-20.54 ccw(c15.236,-25.843) 11.427,-19.382 cw(c0,0) -11.427,-19.382 ccw(c-15.236,-25.843) -20.54,-20.54 -38.73,-38.73 ; -38.73,38.73 cw(c-35.194,42.265) -38.394,46.108 cw(c0,0) 38.394,46.108 cw(c35.194,42.265) 38.73,38.73 20.54,20.54 cw(c15.236,25.843) 11.427,19.382 ccw(c0,0) -11.427,19.382 cw(c-15.236,25.843) -20.54,20.54 -38.73,38.73 ; 27.803,-5.303 cw(c33.107,0) 27.803,5.303 47.221,24.721 cw(c50.756,21.185) 55.37,23.111 cw(c0,0) 55.37,-23.111 cw(c50.756,-21.185) 47.221,-24.721 27.803,-5.303